# KiCad board 8.Layer.Receiver.Board.kicad_pcb
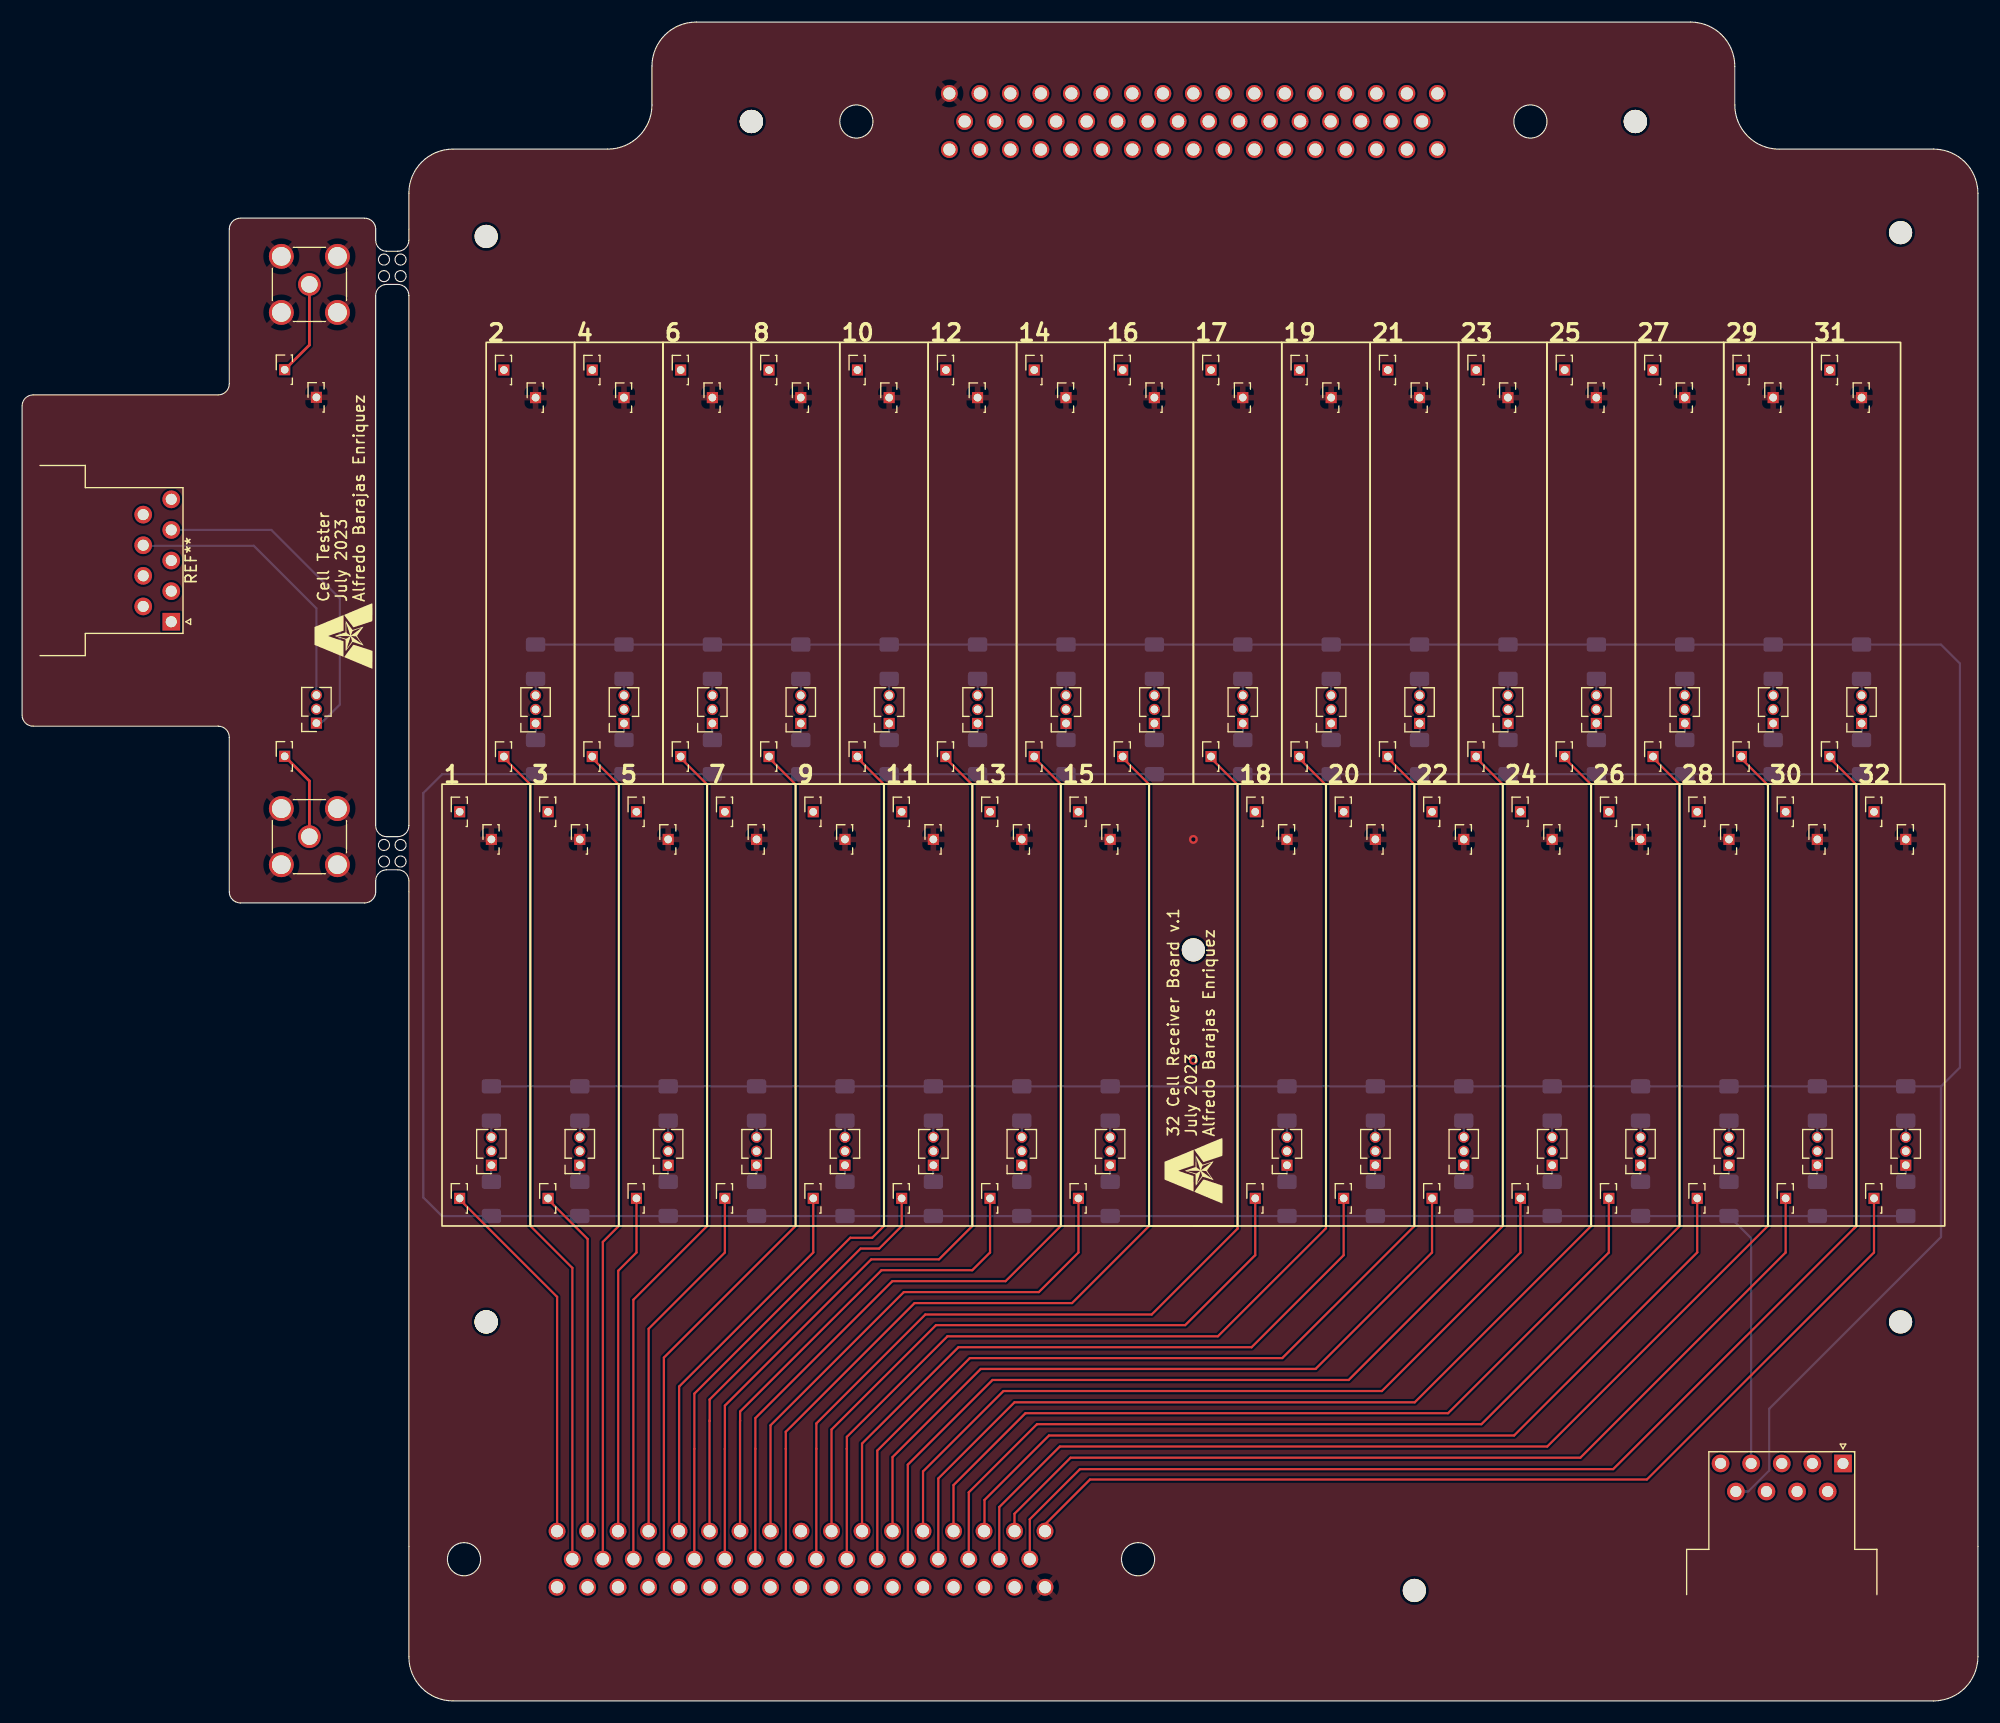
[diagram p0: board, top side]
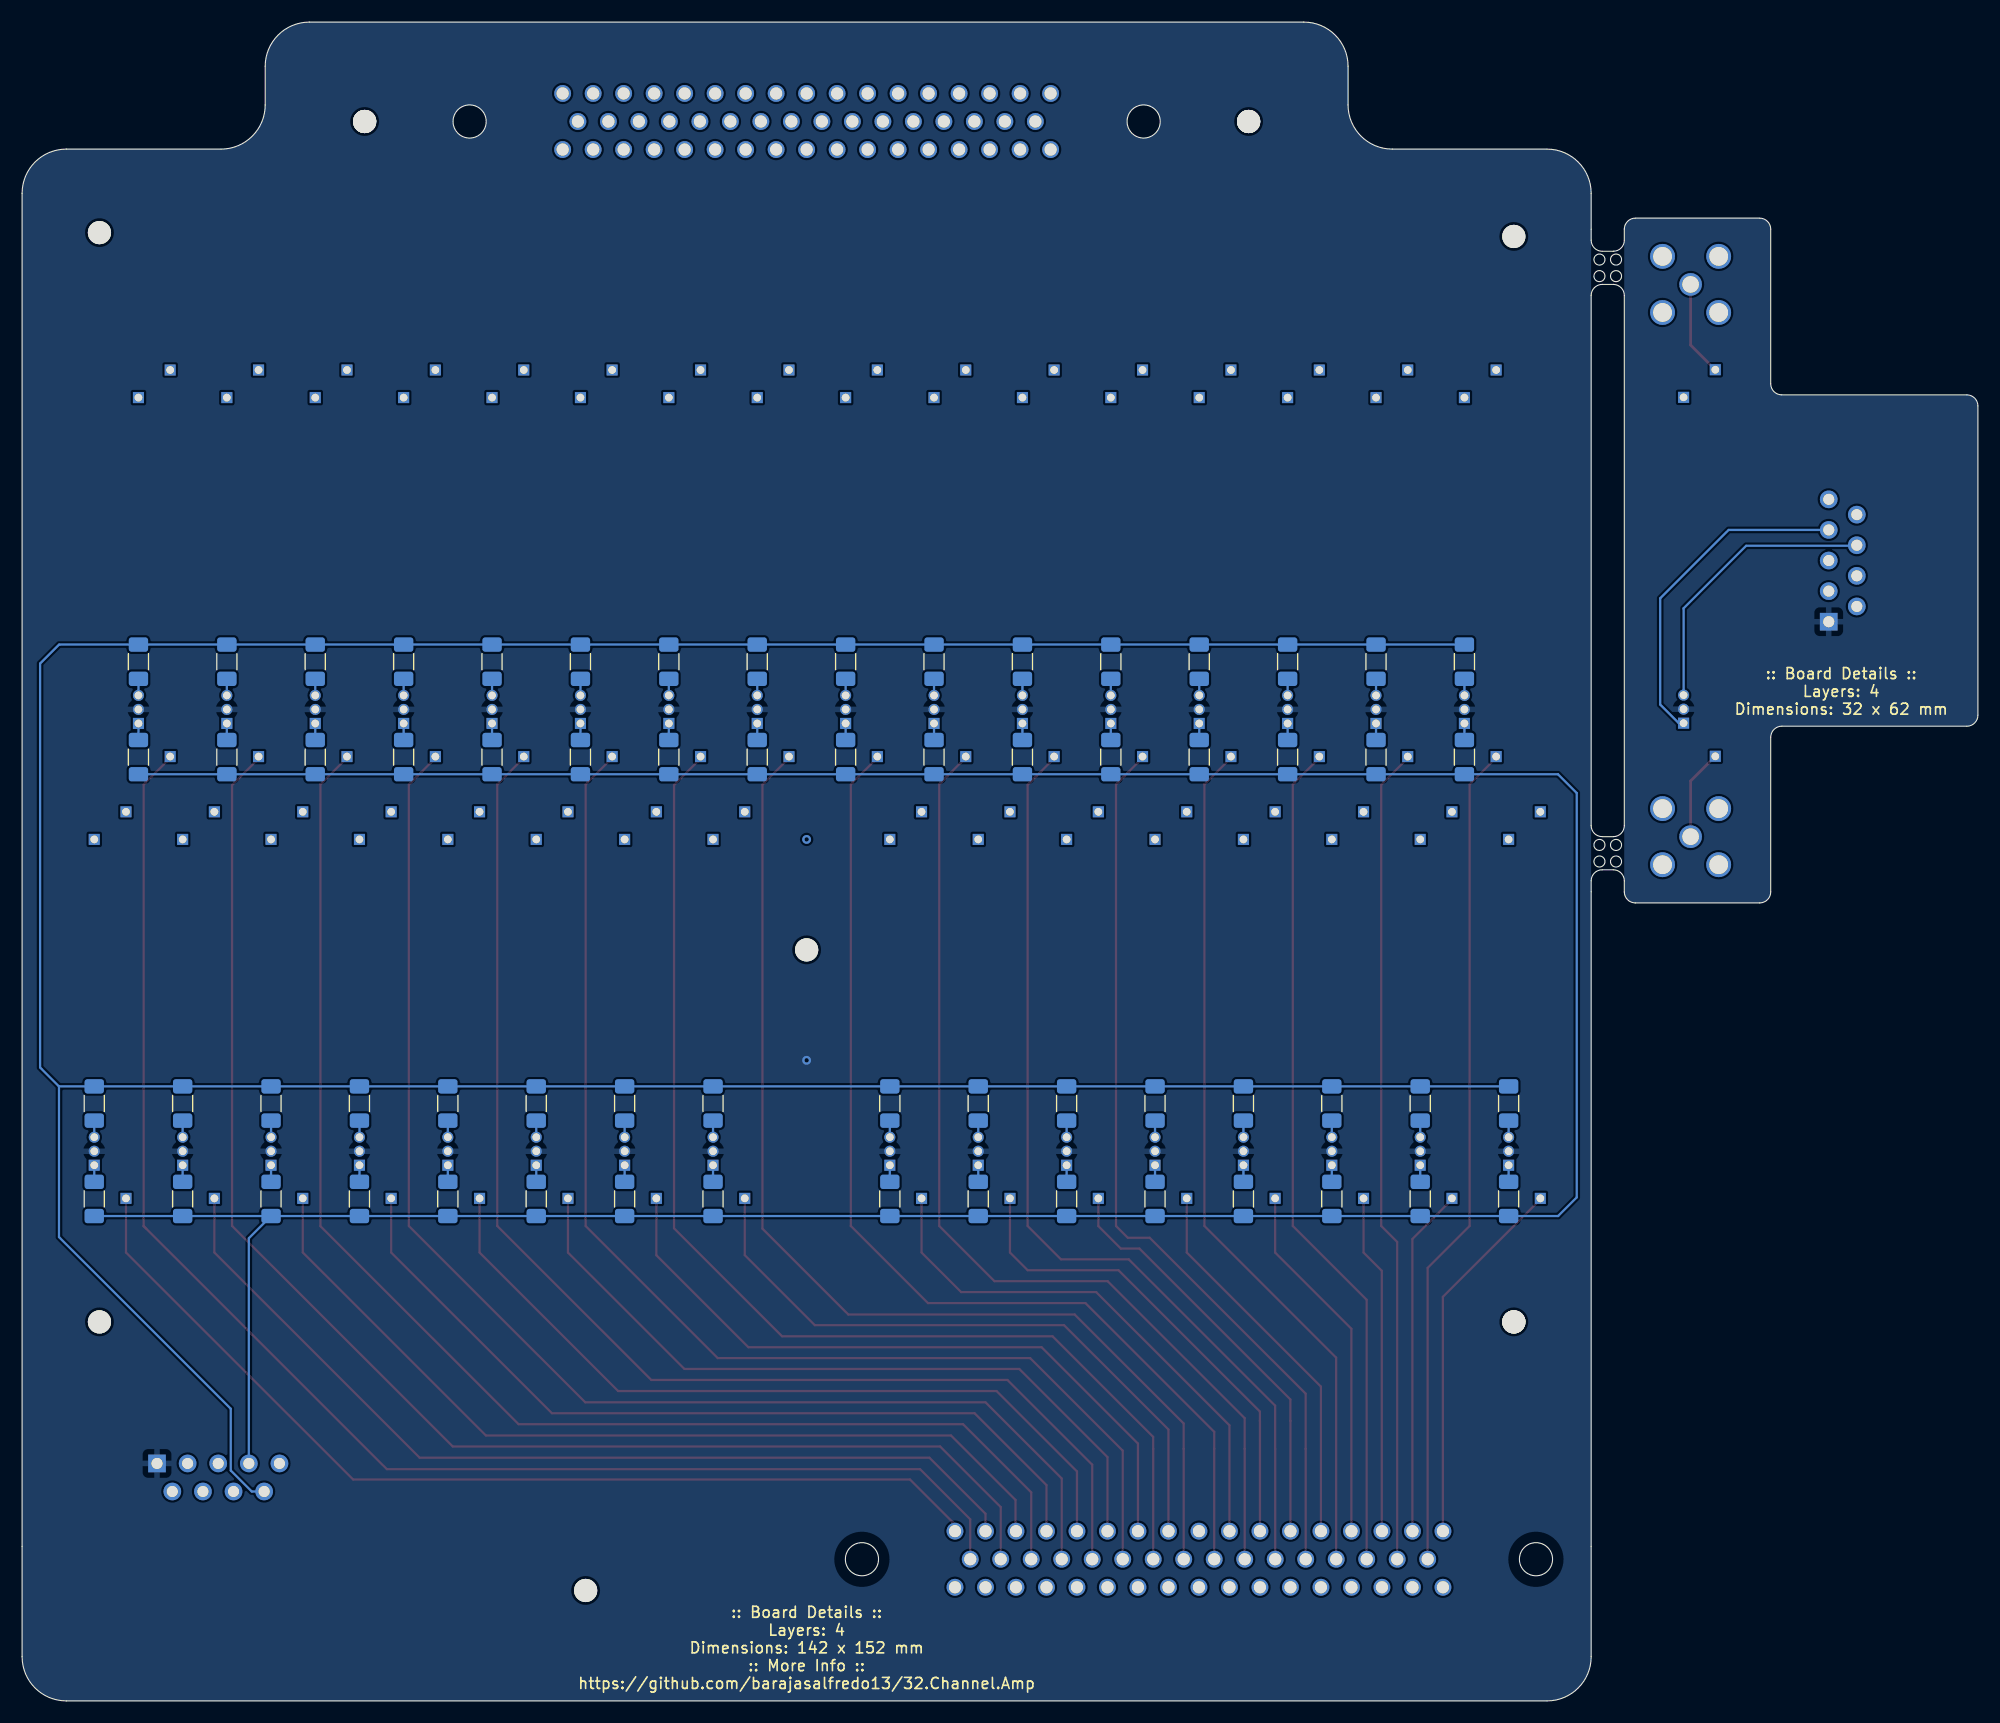
[diagram p1: board, bottom side, seen from below]

Outline 177 x 152 mm; copper layers: Top, In1.Cu, In2.Cu, In3.Cu, In4.Cu, In5.Cu, In6.Cu, Bottom. Coordinates in mm from the lower left corner of the outline.
Outline path: circle c32.75,130.5 r0.5 ; circle c32.75,129 r0.5 ; circle c32.75,77.5 r0.5 ; circle c32.75,76 r0.5 ; circle c34.25,130.5 r0.5 ; circle c34.25,129 r0.5 ; circle c34.25,77.5 r0.5 ; circle c34.25,76 r0.5 ; 0,117.25 0,89.25 arc(0.29,88.54) 1,88.25 17.75,88.25 arc(18.46,87.96) 18.75,87.25 18.75,73.25 arc(19.04,72.54) 19.75,72.25 31,72.25 arc(31.71,72.54) 32,73.25 32,74.25 arc(32.29,74.96) 33,75.25 34,75.25 arc(34.71,74.96) 35,74.25 35,4 arc(36.17,1.17) 39,0 173,0 arc(175.83,1.17) 177,4 177,136.5 arc(175.83,139.33) 173,140.5 159,140.5 arc(156.17,141.67) 155,144.5 155,148 arc(153.83,150.83) 151,152 61,152 arc(58.17,150.83) 57,148 57,144.5 arc(55.83,141.67) 53,140.5 39,140.5 arc(36.17,139.33) 35,136.5 35,132.25 arc(34.71,131.54) 34,131.25 33,131.25 arc(32.29,131.54) 32,132.25 32,133.25 arc(31.71,133.96) 31,134.25 19.75,134.25 arc(19.04,133.96) 18.75,133.25 18.75,119.25 arc(18.46,118.54) 17.75,118.25 1,118.25 arc(0.29,117.96) 0,117.25 ; 32,127.25 arc(32.29,127.96) 33,128.25 34,128.25 arc(34.71,127.96) 35,127.25 35,79.25 arc(34.71,78.54) 34,78.25 33,78.25 arc(32.29,78.54) 32,79.25 32,127.25
Stack: Top 0.035mm / dielectric 0.1mm FR4 er 4.5 / In1.Cu 0.035mm / dielectric 0.3mm FR4 er 4.5 / In2.Cu 0.035mm / dielectric 0.1mm FR4 er 4.5 / In3.Cu 0.035mm / dielectric 0.3mm FR4 er 4.5 / In4.Cu 0.035mm / dielectric 0.1mm FR4 er 4.5 / In5.Cu 0.035mm / dielectric 0.3mm FR4 er 4.5 / In6.Cu 0.035mm / dielectric 0.1mm FR4 er 4.5 / Bottom 0.035mm

## Placement (name value [footprint] x y rotation side)
G***  LOGO  [UTA]  106 48 90 top
G***#2  LOGO  [UTA]  29.07 96.41 90 top
J5  Conn_Coaxial_Out  [SMA_Amphenol_901-144_Vertical]  26 128.25 0 top
J5#2  Conn_Coaxial_Out  [SMA_Amphenol_901-144_Vertical]  26 78.25 0 top
NOREF  -  [unnamed]  42 34.32 180 top
NOREF#2  -  [unnamed]  146 143 0 top
NOREF#3  -  [unnamed]  66 143 0 top
REF**  -  [MountingHole_2.1mm]  146 143 0 top
REF**1  -  [PinSocket_1x01_P1.27mm_Vertical]  47.6 45.5 90 top
REF**2  -  [PinSocket_1x03_P1.27mm_Vertical]  50.47 48.5 180 top
REF**3  -  [PinSocket_1x01_P1.27mm_Vertical]  50.47 78 90 top
REF**4  -  [PinSocket_1x01_P1.27mm_Vertical]  47.6 80.5 90 top
REF**5  -  [PinSocket_1x01_P1.27mm_Vertical]  55.6 45.5 90 top
REF**6  -  [PinSocket_1x03_P1.27mm_Vertical]  58.47 48.5 180 top
REF**7  -  [PinSocket_1x01_P1.27mm_Vertical]  58.47 78 90 top
REF**8  -  [PinSocket_1x01_P1.27mm_Vertical]  55.6 80.5 90 top
REF**9  -  [PinSocket_1x01_P1.27mm_Vertical]  63.6 45.5 90 top
REF**10  -  [PinSocket_1x03_P1.27mm_Vertical]  66.47 48.5 180 top
REF**11  -  [PinSocket_1x01_P1.27mm_Vertical]  66.47 78 90 top
REF**12  -  [PinSocket_1x01_P1.27mm_Vertical]  63.6 80.5 90 top
REF**13  -  [PinSocket_1x01_P1.27mm_Vertical]  71.6 45.5 90 top
REF**14  -  [PinSocket_1x03_P1.27mm_Vertical]  74.47 48.5 180 top
REF**15  -  [PinSocket_1x01_P1.27mm_Vertical]  74.47 78 90 top
REF**16  -  [PinSocket_1x01_P1.27mm_Vertical]  71.6 80.5 90 top
REF**17  -  [PinSocket_1x01_P1.27mm_Vertical]  79.6 45.5 90 top
REF**18  -  [PinSocket_1x03_P1.27mm_Vertical]  82.47 48.5 180 top
REF**19  -  [PinSocket_1x01_P1.27mm_Vertical]  82.47 78 90 top
REF**20  -  [PinSocket_1x01_P1.27mm_Vertical]  79.6 80.5 90 top
REF**21  -  [PinSocket_1x01_P1.27mm_Vertical]  87.6 45.5 90 top
REF**22  -  [PinSocket_1x03_P1.27mm_Vertical]  90.47 48.5 180 top
REF**23  -  [PinSocket_1x01_P1.27mm_Vertical]  90.47 78 90 top
REF**24  -  [PinSocket_1x01_P1.27mm_Vertical]  87.6 80.5 90 top
REF**25  -  [PinSocket_1x01_P1.27mm_Vertical]  95.6 45.5 90 top
REF**26  -  [PinSocket_1x03_P1.27mm_Vertical]  98.47 48.5 180 top
REF**27  -  [PinSocket_1x01_P1.27mm_Vertical]  98.47 78 90 top
REF**28  -  [PinSocket_1x01_P1.27mm_Vertical]  95.6 80.5 90 top
REF**29  -  [R_1206_3216Metric_Pad1.30x1.75mm_HandSolder]  54.47 85.45 270 bottom
REF**30  -  [R_1206_3216Metric_Pad1.30x1.75mm_HandSolder]  54.47 94.09 90 bottom
REF**31  -  [R_1206_3216Metric_Pad1.30x1.75mm_HandSolder]  62.47 85.45 270 bottom
REF**32  -  [R_1206_3216Metric_Pad1.30x1.75mm_HandSolder]  62.47 94.09 90 bottom
REF**33  -  [PinSocket_1x01_P1.27mm_Vertical]  111.6 45.5 90 top
REF**34  -  [PinSocket_1x03_P1.27mm_Vertical]  114.47 48.5 180 top
REF**35  -  [PinSocket_1x01_P1.27mm_Vertical]  114.47 78 90 top
REF**36  -  [PinSocket_1x01_P1.27mm_Vertical]  111.6 80.5 90 top
REF**37  -  [PinSocket_1x01_P1.27mm_Vertical]  119.6 45.5 90 top
REF**38  -  [PinSocket_1x03_P1.27mm_Vertical]  122.47 48.5 180 top
REF**39  -  [PinSocket_1x01_P1.27mm_Vertical]  122.47 78 90 top
REF**40  -  [PinSocket_1x01_P1.27mm_Vertical]  119.6 80.5 90 top
REF**41  -  [PinSocket_1x01_P1.27mm_Vertical]  127.6 45.5 90 top
REF**42  -  [PinSocket_1x03_P1.27mm_Vertical]  130.47 48.5 180 top
REF**43  -  [PinSocket_1x01_P1.27mm_Vertical]  130.47 78 90 top
REF**44  -  [PinSocket_1x01_P1.27mm_Vertical]  127.6 80.5 90 top
REF**45  -  [PinSocket_1x01_P1.27mm_Vertical]  135.6 45.5 90 top
REF**46  -  [PinSocket_1x03_P1.27mm_Vertical]  138.47 48.5 180 top
REF**47  -  [PinSocket_1x01_P1.27mm_Vertical]  138.47 78 90 top
REF**48  -  [PinSocket_1x01_P1.27mm_Vertical]  135.6 80.5 90 top
REF**49  -  [PinSocket_1x01_P1.27mm_Vertical]  143.6 45.5 90 top
REF**50  -  [PinSocket_1x03_P1.27mm_Vertical]  146.47 48.5 180 top
REF**51  -  [PinSocket_1x01_P1.27mm_Vertical]  146.47 78 90 top
REF**52  -  [PinSocket_1x01_P1.27mm_Vertical]  143.6 80.5 90 top
REF**53  -  [PinSocket_1x01_P1.27mm_Vertical]  151.6 45.5 90 top
REF**54  -  [PinSocket_1x03_P1.27mm_Vertical]  154.47 48.5 180 top
REF**55  -  [PinSocket_1x01_P1.27mm_Vertical]  154.47 78 90 top
REF**56  -  [PinSocket_1x01_P1.27mm_Vertical]  151.6 80.5 90 top
REF**57  -  [PinSocket_1x01_P1.27mm_Vertical]  159.6 45.5 90 top
REF**58  -  [PinSocket_1x03_P1.27mm_Vertical]  162.47 48.5 180 top
REF**59  -  [PinSocket_1x01_P1.27mm_Vertical]  162.47 78 90 top
REF**60  -  [PinSocket_1x01_P1.27mm_Vertical]  159.6 80.5 90 top
REF**61  -  [PinSocket_1x01_P1.27mm_Vertical]  167.6 45.5 90 top
REF**62  -  [PinSocket_1x03_P1.27mm_Vertical]  170.47 48.5 180 top
REF**63  -  [PinSocket_1x01_P1.27mm_Vertical]  170.47 78 90 top
REF**64  -  [PinSocket_1x01_P1.27mm_Vertical]  167.6 80.5 90 top
REF**65  -  [PinSocket_1x01_P1.27mm_Vertical]  43.6 85.5 90 top
REF**66  -  [PinSocket_1x03_P1.27mm_Vertical]  46.47 88.5 180 top
REF**67  -  [PinSocket_1x01_P1.27mm_Vertical]  46.47 118 90 top
REF**68  -  [PinSocket_1x01_P1.27mm_Vertical]  43.6 120.5 90 top
REF**69  -  [PinSocket_1x01_P1.27mm_Vertical]  51.6 85.5 90 top
REF**70  -  [PinSocket_1x03_P1.27mm_Vertical]  54.47 88.5 180 top
REF**71  -  [PinSocket_1x01_P1.27mm_Vertical]  54.47 118 90 top
REF**72  -  [PinSocket_1x01_P1.27mm_Vertical]  51.6 120.5 90 top
REF**73  -  [PinSocket_1x01_P1.27mm_Vertical]  59.6 85.5 90 top
REF**74  -  [PinSocket_1x03_P1.27mm_Vertical]  62.47 88.5 180 top
REF**75  -  [PinSocket_1x01_P1.27mm_Vertical]  62.47 118 90 top
REF**76  -  [PinSocket_1x01_P1.27mm_Vertical]  59.6 120.5 90 top
REF**77  -  [PinSocket_1x01_P1.27mm_Vertical]  67.6 85.5 90 top
REF**78  -  [PinSocket_1x03_P1.27mm_Vertical]  70.47 88.5 180 top
REF**79  -  [PinSocket_1x01_P1.27mm_Vertical]  70.47 118 90 top
REF**80  -  [PinSocket_1x01_P1.27mm_Vertical]  67.6 120.5 90 top
REF**81  -  [PinSocket_1x01_P1.27mm_Vertical]  75.6 85.5 90 top
REF**82  -  [PinSocket_1x03_P1.27mm_Vertical]  78.47 88.5 180 top
REF**83  -  [PinSocket_1x01_P1.27mm_Vertical]  78.47 118 90 top
REF**84  -  [PinSocket_1x01_P1.27mm_Vertical]  75.6 120.5 90 top
REF**85  -  [PinSocket_1x01_P1.27mm_Vertical]  83.6 85.5 90 top
REF**86  -  [PinSocket_1x03_P1.27mm_Vertical]  86.47 88.5 180 top
REF**87  -  [PinSocket_1x01_P1.27mm_Vertical]  86.47 118 90 top
REF**88  -  [PinSocket_1x01_P1.27mm_Vertical]  83.6 120.5 90 top
REF**89  -  [PinSocket_1x01_P1.27mm_Vertical]  91.6 85.5 90 top
REF**90  -  [PinSocket_1x03_P1.27mm_Vertical]  94.47 88.5 180 top
REF**91  -  [PinSocket_1x01_P1.27mm_Vertical]  94.47 118 90 top
REF**92  -  [PinSocket_1x01_P1.27mm_Vertical]  91.6 120.5 90 top
REF**93  -  [PinSocket_1x01_P1.27mm_Vertical]  99.6 85.5 90 top
REF**94  -  [PinSocket_1x03_P1.27mm_Vertical]  102.47 88.5 180 top
REF**95  -  [PinSocket_1x01_P1.27mm_Vertical]  102.47 118 90 top
REF**96  -  [PinSocket_1x01_P1.27mm_Vertical]  99.6 120.5 90 top
REF**97  -  [PinSocket_1x01_P1.27mm_Vertical]  107.6 85.5 90 top
REF**98  -  [PinSocket_1x03_P1.27mm_Vertical]  110.47 88.5 180 top
REF**99  -  [PinSocket_1x01_P1.27mm_Vertical]  110.47 118 90 top
REF**100  -  [PinSocket_1x01_P1.27mm_Vertical]  107.6 120.5 90 top
REF**101  -  [PinSocket_1x01_P1.27mm_Vertical]  115.6 85.5 90 top
REF**102  -  [PinSocket_1x03_P1.27mm_Vertical]  118.47 88.5 180 top
REF**103  -  [PinSocket_1x01_P1.27mm_Vertical]  118.47 118 90 top
REF**104  -  [PinSocket_1x01_P1.27mm_Vertical]  115.6 120.5 90 top
REF**105  -  [PinSocket_1x01_P1.27mm_Vertical]  123.6 85.5 90 top
REF**106  -  [PinSocket_1x03_P1.27mm_Vertical]  126.47 88.5 180 top
REF**107  -  [PinSocket_1x01_P1.27mm_Vertical]  126.47 118 90 top
REF**108  -  [PinSocket_1x01_P1.27mm_Vertical]  123.6 120.5 90 top
REF**109  -  [PinSocket_1x01_P1.27mm_Vertical]  131.6 85.5 90 top
REF**110  -  [PinSocket_1x03_P1.27mm_Vertical]  134.47 88.5 180 top
REF**111  -  [PinSocket_1x01_P1.27mm_Vertical]  134.47 118 90 top
REF**112  -  [PinSocket_1x01_P1.27mm_Vertical]  131.6 120.5 90 top
REF**113  -  [PinSocket_1x01_P1.27mm_Vertical]  139.6 85.5 90 top
REF**114  -  [PinSocket_1x03_P1.27mm_Vertical]  142.47 88.5 180 top
REF**115  -  [PinSocket_1x01_P1.27mm_Vertical]  142.47 118 90 top
REF**116  -  [PinSocket_1x01_P1.27mm_Vertical]  139.6 120.5 90 top
REF**117  -  [PinSocket_1x01_P1.27mm_Vertical]  147.6 85.5 90 top
REF**118  -  [PinSocket_1x03_P1.27mm_Vertical]  150.47 88.5 180 top
REF**119  -  [PinSocket_1x01_P1.27mm_Vertical]  150.47 118 90 top
REF**120  -  [PinSocket_1x01_P1.27mm_Vertical]  147.6 120.5 90 top
REF**121  -  [PinSocket_1x01_P1.27mm_Vertical]  155.6 85.5 90 top
REF**122  -  [PinSocket_1x03_P1.27mm_Vertical]  158.47 88.5 180 top
REF**123  -  [PinSocket_1x01_P1.27mm_Vertical]  158.47 118 90 top
REF**124  -  [PinSocket_1x01_P1.27mm_Vertical]  155.6 120.5 90 top
REF**125  -  [PinSocket_1x01_P1.27mm_Vertical]  163.6 85.5 90 top
REF**126  -  [PinSocket_1x03_P1.27mm_Vertical]  166.47 88.5 180 top
REF**127  -  [PinSocket_1x01_P1.27mm_Vertical]  166.47 118 90 top
REF**128  -  [PinSocket_1x01_P1.27mm_Vertical]  163.6 120.5 90 top
REF**129  -  [R_1206_3216Metric_Pad1.30x1.75mm_HandSolder]  70.47 85.45 270 bottom
REF**130  -  [R_1206_3216Metric_Pad1.30x1.75mm_HandSolder]  70.47 94.09 90 bottom
REF**131  -  [R_1206_3216Metric_Pad1.30x1.75mm_HandSolder]  78.47 85.45 270 bottom
REF**132  -  [R_1206_3216Metric_Pad1.30x1.75mm_HandSolder]  78.47 94.09 90 bottom
REF**133  -  [R_1206_3216Metric_Pad1.30x1.75mm_HandSolder]  86.47 85.45 270 bottom
REF**134  -  [R_1206_3216Metric_Pad1.30x1.75mm_HandSolder]  86.47 94.09 90 bottom
REF**135  -  [R_1206_3216Metric_Pad1.30x1.75mm_HandSolder]  94.47 85.45 270 bottom
REF**136  -  [R_1206_3216Metric_Pad1.30x1.75mm_HandSolder]  94.47 94.09 90 bottom
REF**137  -  [R_1206_3216Metric_Pad1.30x1.75mm_HandSolder]  102.47 85.45 270 bottom
REF**138  -  [R_1206_3216Metric_Pad1.30x1.75mm_HandSolder]  102.47 94.09 90 bottom
REF**139  -  [R_1206_3216Metric_Pad1.30x1.75mm_HandSolder]  110.47 85.45 270 bottom
REF**140  -  [R_1206_3216Metric_Pad1.30x1.75mm_HandSolder]  110.47 94.09 90 bottom
REF**141  -  [R_1206_3216Metric_Pad1.30x1.75mm_HandSolder]  118.47 85.45 270 bottom
REF**142  -  [R_1206_3216Metric_Pad1.30x1.75mm_HandSolder]  118.47 94.09 90 bottom
REF**143  -  [R_1206_3216Metric_Pad1.30x1.75mm_HandSolder]  126.47 85.45 270 bottom
REF**144  -  [R_1206_3216Metric_Pad1.30x1.75mm_HandSolder]  126.47 94.09 90 bottom
REF**145  -  [R_1206_3216Metric_Pad1.30x1.75mm_HandSolder]  134.47 85.45 270 bottom
REF**146  -  [R_1206_3216Metric_Pad1.30x1.75mm_HandSolder]  134.47 94.09 90 bottom
REF**147  -  [R_1206_3216Metric_Pad1.30x1.75mm_HandSolder]  142.47 85.45 270 bottom
REF**148  -  [R_1206_3216Metric_Pad1.30x1.75mm_HandSolder]  142.47 94.09 90 bottom
REF**149  -  [R_1206_3216Metric_Pad1.30x1.75mm_HandSolder]  150.47 85.45 270 bottom
REF**150  -  [R_1206_3216Metric_Pad1.30x1.75mm_HandSolder]  150.47 94.09 90 bottom
REF**151  -  [R_1206_3216Metric_Pad1.30x1.75mm_HandSolder]  158.47 85.45 270 bottom
REF**152  -  [R_1206_3216Metric_Pad1.30x1.75mm_HandSolder]  158.47 94.09 90 bottom
REF**153  -  [R_1206_3216Metric_Pad1.30x1.75mm_HandSolder]  166.47 85.45 270 bottom
REF**154  -  [R_1206_3216Metric_Pad1.30x1.75mm_HandSolder]  166.47 94.09 90 bottom
REF**155  -  [R_1206_3216Metric_Pad1.30x1.75mm_HandSolder]  50.47 45.45 270 bottom
REF**156  -  [R_1206_3216Metric_Pad1.30x1.75mm_HandSolder]  50.47 54.09 90 bottom
REF**157  -  [R_1206_3216Metric_Pad1.30x1.75mm_HandSolder]  58.47 45.45 270 bottom
REF**158  -  [R_1206_3216Metric_Pad1.30x1.75mm_HandSolder]  58.47 54.09 90 bottom
REF**159  -  [R_1206_3216Metric_Pad1.30x1.75mm_HandSolder]  66.47 45.45 270 bottom
REF**160  -  [R_1206_3216Metric_Pad1.30x1.75mm_HandSolder]  66.47 54.09 90 bottom
REF**161  -  [R_1206_3216Metric_Pad1.30x1.75mm_HandSolder]  74.47 45.45 270 bottom
REF**162  -  [R_1206_3216Metric_Pad1.30x1.75mm_HandSolder]  74.47 54.09 90 bottom
REF**163  -  [R_1206_3216Metric_Pad1.30x1.75mm_HandSolder]  82.47 45.45 270 bottom
REF**164  -  [R_1206_3216Metric_Pad1.30x1.75mm_HandSolder]  82.47 54.09 90 bottom
REF**165  -  [R_1206_3216Metric_Pad1.30x1.75mm_HandSolder]  90.47 45.45 270 bottom
REF**166  -  [R_1206_3216Metric_Pad1.30x1.75mm_HandSolder]  90.47 54.09 90 bottom
REF**167  -  [R_1206_3216Metric_Pad1.30x1.75mm_HandSolder]  98.47 45.45 270 bottom
REF**168  -  [R_1206_3216Metric_Pad1.30x1.75mm_HandSolder]  98.47 54.09 90 bottom
REF**171  -  [R_1206_3216Metric_Pad1.30x1.75mm_HandSolder]  114.47 45.45 270 bottom
REF**172  -  [R_1206_3216Metric_Pad1.30x1.75mm_HandSolder]  114.47 54.09 90 bottom
REF**173  -  [R_1206_3216Metric_Pad1.30x1.75mm_HandSolder]  122.47 45.45 270 bottom
REF**174  -  [R_1206_3216Metric_Pad1.30x1.75mm_HandSolder]  122.47 54.09 90 bottom
REF**175  -  [R_1206_3216Metric_Pad1.30x1.75mm_HandSolder]  130.47 45.45 270 bottom
REF**176  -  [R_1206_3216Metric_Pad1.30x1.75mm_HandSolder]  130.47 54.09 90 bottom
REF**177  -  [R_1206_3216Metric_Pad1.30x1.75mm_HandSolder]  138.47 45.45 270 bottom
REF**178  -  [R_1206_3216Metric_Pad1.30x1.75mm_HandSolder]  138.47 54.09 90 bottom
REF**179  -  [R_1206_3216Metric_Pad1.30x1.75mm_HandSolder]  146.47 45.45 270 bottom
REF**180  -  [R_1206_3216Metric_Pad1.30x1.75mm_HandSolder]  146.47 54.09 90 bottom
REF**181  -  [R_1206_3216Metric_Pad1.30x1.75mm_HandSolder]  154.47 45.45 270 bottom
REF**182  -  [R_1206_3216Metric_Pad1.30x1.75mm_HandSolder]  154.47 54.09 90 bottom
REF**183  -  [R_1206_3216Metric_Pad1.30x1.75mm_HandSolder]  162.47 45.45 270 bottom
REF**184  -  [R_1206_3216Metric_Pad1.30x1.75mm_HandSolder]  162.47 54.09 90 bottom
REF**185  -  [R_1206_3216Metric_Pad1.30x1.75mm_HandSolder]  170.47 45.45 270 bottom
REF**186  -  [R_1206_3216Metric_Pad1.30x1.75mm_HandSolder]  170.47 54.09 90 bottom
REF**187  -  [R_1206_3216Metric_Pad1.30x1.75mm_HandSolder]  42.47 45.45 270 bottom
REF**188  -  [R_1206_3216Metric_Pad1.30x1.75mm_HandSolder]  42.47 54.09 90 bottom
REF**#2  -  [DSUB-9_Female_Horizontal_P2.77x2.54mm_EdgePinOffset9.40mm]  164.79 21.5 0 top
REF**#3  -  [MountingHole_2.1mm]  42 34.32 180 top
REF**#4  -  [MountingHole_2.1mm]  170 34.32 180 top
REF**#5  -  [PinSocket_1x01_P1.27mm_Vertical]  39.6 45.5 90 top
REF**#6  -  [PinSocket_1x01_P1.27mm_Vertical]  42.47 78 90 top
REF**#7  -  [MountingHole_2.1mm]  66 143 0 top
REF**#8  -  [PinSocket_1x01_P1.27mm_Vertical]  39.6 80.5 90 top
REF**#9  -  [PinSocket_1x01_P1.27mm_Vertical]  23.77 85.52 90 top
REF**#10  -  [MountingHole_2.1mm]  126 10 270 top
REF**#11  -  [PinSocket_1x03_P1.27mm_Vertical]  42.47 48.5 180 top
REF**#12  -  [MountingHole_2.1mm]  106 68 0 top
REF**#13  -  [PinSocket_1x03_P1.27mm_Vertical]  26.64 88.52 180 top
REF**#14  -  [CONN D-SUB PLUG 50POS RA SLDR]  69.11 12.83 180 top
REF**#15  -  [CONN D-SUB PLUG 50POS RA SLDR]  107.38 143 0 top
REF**#16  -  [PinSocket_1x01_P1.27mm_Vertical]  26.64 118.02 90 top
REF**#17  -  [PinSocket_1x01_P1.27mm_Vertical]  23.77 120.52 90 top
REF**#18  -  [MountingHole_2.1mm]  170 132.94 0 top
REF**#19  -  [DSUB-9_Female_Horizontal_P2.77x2.54mm_EdgePinOffset9.40mm]  13.5 97.71 270 top
REF**#20  -  [MountingHole_2.1mm]  42 132.59 0 top
REF**#21  -  [R_1206_3216Metric_Pad1.30x1.75mm_HandSolder]  46.47 94.09 90 bottom
REF**#22  -  [R_1206_3216Metric_Pad1.30x1.75mm_HandSolder]  46.47 85.45 270 bottom

## Library data of the parts
J5 J5#2 = -: Description: coaxial connector (BNC, SMA, SMB, SMC, Cinch/RCA, LEMO, ...)

## Footprints (pads in the part's own frame, mm; a bottom-side part is the same pattern mirrored in y, then rotated)
CONN D-SUB PLUG 50POS RA SLDR
  round 1.524 hole 1.1: 1(-23.46,2.54) 2(-20.7,2.54) 3(-17.94,2.54) 4(-15.18,2.54) 5(-12.42,2.54) 6(-9.66,2.54) 7(-6.9,2.54) 8(-4.14,2.54) 9(-1.38,2.54) 10(1.38,2.54) 11(4.14,2.54) 12(6.9,2.54) 13(9.66,2.54) 14(12.42,2.54) 15(15.18,2.54) 16(17.94,2.54) 17(20.7,2.54) 18(-22.08,0) 19(-19.32,0) 20(-16.56,0) 21(-13.8,0) 22(-11.04,0) 23(-8.28,0) 24(-5.52,0) 25(-2.76,0) 26(0,0) 27(2.76,0) 28(5.52,0) 29(8.28,0) 30(11.04,0) 31(13.8,0) 32(16.56,0) 33(19.32,0) 34(-23.46,-2.54) 35(-20.7,-2.54) 36(-17.94,-2.54) 37(-15.18,-2.54) 38(-12.42,-2.54) 39(-9.66,-2.54) 40(-6.9,-2.54) 41(-4.14,-2.54) 42(-1.38,-2.54) 43(1.38,-2.54) 44(4.14,-2.54) 45(6.9,-2.54) 46(9.66,-2.54) 47(12.42,-2.54) 48(15.18,-2.54) 49(17.94,-2.54) 50(20.7,-2.54)
DSUB-9_Female_Horizontal_P2.77x2.54mm_EdgePinOffset9.40mm
  rect 1.6x1.6 hole 1: 1(0,0)
  round 1.6 hole 1: 2(-2.77,0) 3(-5.54,0) 4(-8.31,0) 5(-11.08,0) 6(-1.385,-2.54) 7(-4.155,-2.54) 8(-6.925,-2.54) 9(-9.695,-2.54)
MountingHole_2.1mm
  round 2.1 hole 2.1 unplated: (0,0)
PinSocket_1x01_P1.27mm_Vertical
  rect 1x1 hole 0.7: 1(0,0)
PinSocket_1x03_P1.27mm_Vertical
  rect 1x1 hole 0.7: 1(0,0)
  oval 1x1 hole 0.7: 2(0,-1.27) 3(0,-2.54)
R_1206_3216Metric_Pad1.30x1.75mm_HandSolder
  rrect 1.3x1.75 smd: 1(-1.55,0) 2(1.55,0)
SMA_Amphenol_901-144_Vertical
  round 2.05 hole 1.5: 1(0,0)
  round 2.25 hole 1.7: 2(-2.54,2.54) 2(-2.54,-2.54) 2(2.54,2.54) 2(2.54,-2.54)
unnamed
  round 2.1 hole 2.1 unplated: (0,0)

## Nets
GND: REF**2.2 REF**6.2 REF**10.2 REF**14.2 REF**18.2 REF**22.2 REF**26.2 REF**34.2 REF**38.2 REF**42.2 REF**46.2 REF**50.2 REF**54.2 REF**58.2 REF**62.2 REF**66.2 REF**70.2 REF**74.2 REF**78.2 REF**82.2 REF**86.2 REF**90.2 REF**94.2 REF**98.2 REF**102.2 REF**106.2 REF**110.2 REF**114.2 REF**118.2 REF**122.2 REF**126.2 REF**#2.1 REF**#11.2 REF**#13.2 REF**#19.1
GND1: J5.2 J5#2.2 REF**3.1 REF**7.1 REF**11.1 REF**15.1 REF**19.1 REF**23.1 REF**27.1 REF**35.1 REF**39.1 REF**43.1 REF**47.1 REF**51.1 REF**55.1 REF**59.1 REF**63.1 REF**67.1 REF**71.1 REF**75.1 REF**79.1 REF**83.1 REF**87.1 REF**91.1 REF**95.1 REF**99.1 REF**103.1 REF**107.1 REF**111.1 REF**115.1 REF**119.1 REF**123.1 REF**127.1 REF**#6.1 REF**#14.1 REF**#15.1 REF**#16.1
+12: REF**2.1 REF**6.1 REF**10.1 REF**14.1 REF**18.1 REF**22.1 REF**26.1 REF**29.2 REF**31.2 REF**34.1 REF**38.1 REF**42.1 REF**46.1 REF**50.1 REF**54.1 REF**58.1 REF**62.1 REF**66.1 REF**70.1 REF**74.1 REF**78.1 REF**82.1 REF**86.1 REF**90.1 REF**94.1 REF**98.1 REF**102.1 REF**106.1 REF**110.1 REF**114.1 REF**118.1 REF**122.1 REF**126.1 REF**129.2 REF**131.2 REF**133.2 REF**135.2 REF**137.2 REF**139.2 REF**141.2 REF**143.2 REF**145.2 REF**147.2 REF**149.2 REF**151.2 REF**153.2 REF**155.2 REF**157.2 REF**159.2 REF**161.2 REF**163.2 REF**165.2 REF**167.2 REF**171.2 REF**173.2 REF**175.2 REF**177.2 REF**179.2 REF**181.2 REF**183.2 REF**185.2 REF**187.2 REF**#2.4 REF**#11.1 REF**#13.1 REF**#19.4 REF**#22.2
-12: REF**2.3 REF**6.3 REF**10.3 REF**14.3 REF**18.3 REF**22.3 REF**26.3 REF**30.2 REF**32.2 REF**34.3 REF**38.3 REF**42.3 REF**46.3 REF**50.3 REF**54.3 REF**58.3 REF**62.3 REF**66.3 REF**70.3 REF**74.3 REF**78.3 REF**82.3 REF**86.3 REF**90.3 REF**94.3 REF**98.3 REF**102.3 REF**106.3 REF**110.3 REF**114.3 REF**118.3 REF**122.3 REF**126.3 REF**130.2 REF**132.2 REF**134.2 REF**136.2 REF**138.2 REF**140.2 REF**142.2 REF**144.2 REF**146.2 REF**148.2 REF**150.2 REF**152.2 REF**154.2 REF**156.2 REF**158.2 REF**160.2 REF**162.2 REF**164.2 REF**166.2 REF**168.2 REF**172.2 REF**174.2 REF**176.2 REF**178.2 REF**180.2 REF**182.2 REF**184.2 REF**186.2 REF**188.2 REF**#2.9 REF**#11.3 REF**#13.3 REF**#19.8 REF**#21.2

Pads without a net: J5 1; J5#2 1; REF**1 1; REF**4 1; REF**5 1; REF**8 1; REF**9 1; REF**12 1; REF**13 1; REF**16 1; REF**17 1; REF**20 1; REF**21 1; REF**24 1; REF**25 1; REF**28 1; REF**29 1; REF**30 1; REF**31 1; REF**32 1; REF**33 1; REF**36 1; REF**37 1; REF**40 1; REF**41 1; REF**44 1; REF**45 1; REF**48 1; REF**49 1; REF**52 1; REF**53 1; REF**56 1; REF**57 1; REF**60 1; REF**61 1; REF**64 1; REF**65 1; REF**68 1; REF**69 1; REF**72 1; REF**73 1; REF**76 1; REF**77 1; REF**80 1; REF**81 1; REF**84 1; REF**85 1; REF**88 1; REF**89 1; REF**92 1; REF**93 1; REF**96 1; REF**97 1; REF**100 1; REF**101 1; REF**104 1; REF**105 1; REF**108 1; REF**109 1; REF**112 1; REF**113 1; REF**116 1; REF**117 1; REF**120 1; REF**121 1; REF**124 1; REF**125 1; REF**128 1; REF**129 1; REF**130 1; REF**131 1; REF**132 1; REF**133 1; REF**134 1; REF**135 1; REF**136 1; REF**137 1; REF**138 1; REF**139 1; REF**140 1; REF**141 1; REF**142 1; REF**143 1; REF**144 1; REF**145 1; REF**146 1; REF**147 1; REF**148 1; REF**149 1; REF**150 1; REF**151 1; REF**152 1; REF**153 1; REF**154 1; REF**155 1; REF**156 1; REF**157 1; REF**158 1; REF**159 1; REF**160 1; REF**161 1; REF**162 1; REF**163 1; REF**164 1; REF**165 1; REF**166 1; REF**167 1; REF**168 1; REF**171 1; REF**172 1; REF**173 1; REF**174 1; REF**175 1; REF**176 1; REF**177 1; REF**178 1; REF**179 1; REF**180 1; REF**181 1; REF**182 1; REF**183 1; REF**184 1; REF**185 1; REF**186 1; REF**187 1; REF**188 1; REF**#2 2 3 5 6 7 8; REF**#5 1; REF**#8 1; REF**#9 1; REF**#14 2 3 4 5 6 7 8 9 10 11 12 13 14 15 16 17 18 19 20 21 22 23 24 25 26 27 28 29 30 31 32 33 34 35 36 37 38 39 40 41 42 43 44 45 46 47 48 49 50; REF**#15 2 3 4 5 6 7 8 9 10 11 12 13 14 15 16 17 18 19 20 21 22 23 24 25 26 27 28 29 30 31 32 33 34 35 36 37 38 39 40 41 42 43 44 45 46 47 48 49 50; REF**#17 1; REF**#19 2 3 5 6 7 9; REF**#21 1; REF**#22 1

## Via types
v1: diameter 0.8, hole 0.4, Top to Bottom, 2 vias

## Routing (per net, layer and track width the routed paths; a pad name or vN(x,y) marks a point on that pad's centre or on a via; arc(x,y) is an arc through that point)
GND:
  vias: v1(106,58)
GND1:
  vias: v1(106,78)
(no net): length 2509
  Top w0.2: REF**#14.41 73.25,24.57 82.71,34.02 105.26,34.02 111.6,40.36 REF**33.1 ; REF**41.1 127.6,40.6 117.06,30.06 86.75,30.06 78.77,22.08 REF**#14.39 ; REF**65.1 43.6,85.38 46,82.98 46,43 49.8,39.2 49.8,12.84 REF**#14.33 ; REF**85.1 83.6,85.34 86,82.94 86,43 82.98,39.98 76.85,39.98 63.6,26.73 63.6,22.82 63.59,22.81 REF**#14.28 ; REF**#14.18 91.19,16.44 95.74,20.98 143.99,20.98 166,42.99 166,42.99 ; REF**17.1 79.6,42.99 77.56,40.95 75.88,40.95 62.22,27.29 62.22,25.36 62.21,25.35 REF**#14.45 ; REF**#14.32 52.56,12.83 52.56,41.56 54,43 54,82.95 51.6,85.35 REF**69.1 ; REF**#14.31 55.32,12.84 55.32,36.32 62,43 62,82.97 59.6,85.37 REF**73.1 ; REF**49.1 143.6,40.6 129.05,26.05 90.8,26.05 84.29,19.54 REF**#14.37 ; REF**109.1 131.6,85.38 134,82.98 134,43 ; REF**101.1 115.6,85.32 118,82.92 118,42.79 108.22,33.01 83.75,33.01 74.64,23.91 74.64,22.82 74.63,22.81 REF**#14.24 ; REF**1.1 47.6,45.4 51.18,41.82 51.18,15.38 REF**#14.49 ; 166,42.99 165.75,42.75 ; 166,42.99 166,82.96 163.6,85.36 REF**125.1 ; REF**37.1 119.6,40.35 111.27,32.02 84.73,32.02 76.01,23.3 REF**#14.40 ; REF**#14.34 92.57,15.98 96.64,20.05 147.04,20.05 167.6,40.6 167.6,45.5 REF**61.1 ; REF**9.1 63.6,40.59 56.7,33.69 56.7,15.38 REF**#14.47 ; REF**21.1 87.6,40.6 85.99,38.99 77.78,38.99 64.98,26.2 64.98,25.36 64.97,25.35 REF**#14.44 ; REF**#14.23 77.39,22.66 85.77,31.04 114.04,31.04 126,43 126,82.97 123.6,85.37 REF**105.1 ; REF**25.1 95.6,40.6 92.01,37.01 79.79,37.01 67.73,24.95 REF**#14.43 ; REF**57.1 159.6,40.6 141.02,22.02 94.88,22.02 89.81,16.95 REF**#14.35 ; REF**#14.48 53.95,15.38 53.95,38.94 55.6,40.6 REF**5.1 ; REF**93.1 99.6,85.38 102,82.98 102,43 102,43 95.02,36.02 80.77,36.02 69.11,24.36 69.11,22.83 69.11,22.83 REF**#14.26 ; REF**#14.21 82.91,20.14 89.81,27.03 126.04,27.03 142,43 142,82.96 139.6,85.36 REF**113.1 ; REF**#14.29 60.83,22.81 60.84,22.82 60.84,27.82 74.96,41.93 76.93,41.93 78,43 78,82.98 75.6,85.38 REF**81.1 ; REF**#14.50 48.42,15.38 48.42,36.58 39.6,45.4 REF**#5.1 ; REF**#14.19 88.43,17.55 93.92,23.04 138.03,23.04 157.99,43 158,43 158,82.91 155.6,85.31 REF**121.1 ; REF**#14.25 71.87,22.81 71.88,22.82 71.88,25.12 81.74,34.99 102.23,34.99 110,42.76 110,82.95 107.6,85.35 REF**97.1 ; 134,43 134,43 ; 134,43 120.05,29.06 87.82,29.06 80.15,21.39 REF**#14.22 ; REF**#14.38 81.53,20.78 88.81,28.05 123.06,28.05 135.6,40.6 REF**45.1 ; REF**77.1 67.6,85.38 70,82.97 70,43 58.08,31.08 58.08,12.84 REF**#14.30 ; REF**#14.36 87.1,15.41 87.1,18.19 92.93,24.03 135.02,24.03 151.6,40.61 REF**53.1 ; REF**89.1 91.6,85.4 94,83 94,43 89,38 78.76,38 66.36,25.6 66.36,22.82 66.35,22.81 REF**#14.27 ; REF**117.1 147.6,85.38 150,82.98 150,42.98 132.07,25.05 91.84,25.05 85.67,18.88 REF**#14.20 ; REF**13.1 71.6,40.6 59.46,28.46 59.46,15.38 REF**#14.46
  Top w0.25: J5.1 26,122.76 REF**#17.1 ; REF**#9.1 26,83.29 J5#2.1
+12: length 403.8
  Bottom w0.2: REF**#11.1 42.47,47 ; REF**66.1 46.47,87 ; REF**2.1 50.47,47 ; REF**70.1 54.47,87 ; REF**6.1 58.47,47 ; REF**74.1 62.47,87 ; REF**10.1 66.47,47 ; REF**78.1 70.47,87 ; REF**14.1 74.47,47 ; REF**82.1 78.47,87 ; REF**18.1 82.47,47 ; REF**86.1 86.47,87 ; REF**22.1 90.47,47 ; REF**90.1 94.47,87 ; REF**26.1 98.47,47 ; REF**94.1 102.47,87 ; REF**98.1 110.47,87 ; REF**34.1 114.47,47 ; REF**102.1 118.47,87 ; REF**38.1 122.47,47 ; REF**106.1 126.47,87 ; REF**42.1 130.47,47 ; REF**110.1 134.47,87 ; REF**46.1 138.47,47 ; REF**114.1 142.47,87 ; REF**50.1 146.47,47 ; REF**118.1 150.47,87 ; REF**54.1 154.47,47 ; REF**122.1 158.47,87 ; REF**58.1 162.47,47 ; REF**126.1 166.47,87 ; REF**62.1 170.47,47 ; REF**181.2 156.48,41.89 REF**#2.4 ; REF**#19.4 22.56,106.02 28.75,99.83 28.75,90.21 27.07,88.52 REF**#13.1 ; REF**185.2 REF**187.2 37.99,43.9 36.3,45.59 36.3,82.2 38,83.9 REF**#22.2 REF**153.2
-12: length 418.7
  Bottom w0.2: REF**#11.3 42.47,52.54 ; REF**66.3 46.47,92.54 ; REF**2.3 50.47,52.54 ; REF**70.3 54.47,92.54 ; REF**6.3 58.47,52.54 ; REF**74.3 62.47,92.54 ; REF**10.3 66.47,52.54 ; REF**78.3 70.47,92.54 ; REF**14.3 74.47,52.54 ; REF**82.3 78.47,92.54 ; REF**18.3 82.47,52.54 ; REF**86.3 86.47,92.54 ; REF**22.3 90.47,52.54 ; REF**90.3 94.47,92.54 ; REF**26.3 98.47,52.54 ; REF**94.3 102.47,92.54 ; REF**98.3 110.47,92.54 ; REF**34.3 114.47,52.54 ; REF**102.3 118.47,92.54 ; REF**38.3 122.47,52.54 ; REF**106.3 126.47,92.54 ; REF**42.3 130.47,52.54 ; REF**110.3 134.47,92.54 ; REF**46.3 138.47,52.54 ; REF**114.3 142.47,92.54 ; REF**50.3 146.47,52.54 ; REF**118.3 150.47,92.54 ; REF**54.3 154.47,52.54 ; REF**122.3 158.47,92.54 ; REF**58.3 162.47,52.54 ; REF**126.3 166.47,92.54 ; REF**62.3 170.47,52.54 ; REF**#2.9 156.22,18.96 158.12,20.86 158.12,26.45 173.66,42 173.66,55.64 173.66,55.64 ; REF**#13.3 26.64,98.92 20.98,104.58 11.01,104.58 REF**#19.8 ; REF**#21.2 REF**154.2 173.65,95.64 175.37,93.92 175.37,57.35 173.66,55.64 ; 173.66,55.64 REF**186.2 REF**188.2

## Copper pours and planes (outline as drawn; the poured copper is in the pictures)
GND on Bottom, In2.Cu: 18.75,119.23 18.75,133.36 18.82,133.6 18.9,133.78 18.99,133.9 19.12,134.03 19.26,134.13 19.45,134.23 19.69,134.27 30.98,134.27 31.1,134.26 31.28,134.23 31.44,134.17 31.59,134.08 31.73,133.97 31.82,133.86 31.9,133.74 31.95,133.63 31.99,133.49 32.01,133.35 32.01,73.19 31.99,73.03 31.95,72.91 31.84,72.68 31.75,72.56 31.62,72.44 31.44,72.34 31.22,72.26 31.01,72.24 19.74,72.24 19.62,72.25 19.49,72.26 19.37,72.31 19.25,72.37 19.13,72.44 19.04,72.52 18.93,72.64 18.87,72.75 18.8,72.88 18.76,73.02 18.74,73.15 18.74,87.24 18.73,87.35 18.71,87.5 18.67,87.64 18.61,87.77 18.53,87.88 18.43,87.98 18.31,88.07 18.17,88.16 18,88.21 17.84,88.23 1,88.23 0.85,88.24 0.74,88.27 0.59,88.31 0.47,88.38 0.36,88.45 0.27,88.53 0.18,88.63 0.11,88.75 0.05,88.86 0.01,88.99 -0.01,89.13 -0.02,89.28 -0.02,117.27 0,117.42 0.04,117.6 0.12,117.76 0.26,117.95 0.42,118.09 0.65,118.2 0.83,118.25 1.05,118.27 17.82,118.27 17.96,118.27 18.11,118.32 18.25,118.38 18.34,118.44 18.44,118.52 18.52,118.61 18.6,118.72 18.67,118.86 18.71,118.98 18.75,119.11
GND on Bottom, In6.Cu: 35,136.49 35,4.01 35.01,3.78 35.04,3.47 35.09,3.2 35.13,2.95 35.23,2.65 35.32,2.41 35.43,2.17 35.59,1.9 35.72,1.68 35.89,1.46 36.08,1.24 36.31,1.03 36.54,0.82 36.79,0.65 37.07,0.47 37.34,0.35 37.66,0.22 37.97,0.13 38.3,0.05 38.59,0 39.01,-0.01 173.01,-0.01 173.38,0 173.76,0.06 174.17,0.16 174.57,0.3 174.93,0.47 175.23,0.66 175.56,0.9 175.85,1.16 176.12,1.47 176.34,1.77 176.55,2.12 176.71,2.45 176.84,2.84 176.94,3.2 177,3.61 177,4.01 177,136.78 176.98,136.92 176.94,137.28 176.85,137.65 176.72,138.01 176.54,138.39 176.34,138.73 176.11,139.05 175.84,139.35 175.55,139.61 175.24,139.84 174.91,140.04 174.55,140.21 174.16,140.35 173.8,140.44 173.38,140.5 173,140.52 158.76,140.52 158.26,140.58 157.76,140.72 157.31,140.89 156.92,141.1 156.59,141.34 156.19,141.67 155.88,142.02 155.68,142.29 155.48,142.63 155.3,142.98 155.18,143.34 155.09,143.73 155.02,144.11 155,144.5 155,148.02 154.99,148.39 154.93,148.82 154.84,149.16 154.72,149.5 154.51,149.94 154.3,150.28 154.12,150.54 153.86,150.82 153.58,151.08 153.21,151.37 152.83,151.58 152.38,151.78 151.85,151.94 151.27,152.01 61.04,152.01 60.62,151.99 60.21,151.94 59.83,151.84 59.46,151.72 59.11,151.55 58.78,151.35 58.45,151.11 58.16,150.84 57.89,150.56 57.66,150.24 57.45,149.89 57.3,149.56 57.15,149.18 57.06,148.79 56.99,148.39 56.97,148 56.97,144.53 56.96,144.13 56.91,143.72 56.82,143.34 56.67,142.96 56.52,142.64 56.32,142.3 56.09,141.97 55.79,141.67 55.52,141.42 55.25,141.2 54.77,140.92 54.1,140.65 53.8,140.58 53.41,140.53 52.99,140.51 38.92,140.51 38.57,140.48 38.22,140.43 37.75,140.31 37.33,140.15 36.88,139.91 36.5,139.63 36.2,139.39 35.91,139.04 35.65,138.71 35.45,138.37 35.29,138.04 35.14,137.63 35.06,137.3 35.01,136.89
GND1 on Top, In1.Cu: 18.75,119.23 18.75,133.36 18.82,133.6 18.9,133.78 18.99,133.9 19.12,134.03 19.26,134.13 19.45,134.23 19.69,134.27 30.98,134.27 31.1,134.26 31.28,134.23 31.44,134.17 31.59,134.08 31.73,133.97 31.82,133.86 31.9,133.74 31.95,133.63 31.99,133.49 32.01,133.35 32.01,73.19 31.99,73.03 31.95,72.91 31.84,72.68 31.75,72.56 31.62,72.44 31.44,72.34 31.22,72.26 31.01,72.24 19.74,72.24 19.62,72.25 19.49,72.26 19.37,72.31 19.25,72.37 19.13,72.44 19.04,72.52 18.93,72.64 18.87,72.75 18.8,72.88 18.76,73.02 18.74,73.15 18.74,87.24 18.73,87.35 18.71,87.5 18.67,87.64 18.61,87.77 18.53,87.88 18.43,87.98 18.31,88.07 18.17,88.16 18,88.21 17.84,88.23 1,88.23 0.85,88.24 0.74,88.27 0.59,88.31 0.47,88.38 0.36,88.45 0.27,88.53 0.18,88.63 0.11,88.75 0.05,88.86 0.01,88.99 -0.01,89.13 -0.02,89.28 -0.02,117.27 0,117.42 0.04,117.6 0.12,117.76 0.26,117.95 0.42,118.09 0.65,118.2 0.83,118.25 1.05,118.27 17.82,118.27 17.96,118.27 18.11,118.32 18.25,118.38 18.34,118.44 18.44,118.52 18.52,118.61 18.6,118.72 18.67,118.86 18.71,118.98 18.75,119.11
GND1 on Top, In2.Cu, In4.Cu, In5.Cu: 35,136.49 35,4.01 35.01,3.78 35.04,3.47 35.09,3.2 35.13,2.95 35.23,2.65 35.32,2.41 35.43,2.17 35.59,1.9 35.72,1.68 35.89,1.46 36.08,1.24 36.31,1.03 36.54,0.82 36.79,0.65 37.07,0.47 37.34,0.35 37.66,0.22 37.97,0.13 38.3,0.05 38.59,0 39.01,-0.01 173.01,-0.01 173.38,0 173.76,0.06 174.17,0.16 174.57,0.3 174.93,0.47 175.23,0.66 175.56,0.9 175.85,1.16 176.12,1.47 176.34,1.77 176.55,2.12 176.71,2.45 176.84,2.84 176.94,3.2 177,3.61 177,4.01 177,136.78 176.98,136.92 176.94,137.28 176.85,137.65 176.72,138.01 176.54,138.39 176.34,138.73 176.11,139.05 175.84,139.35 175.55,139.61 175.24,139.84 174.91,140.04 174.55,140.21 174.16,140.35 173.8,140.44 173.38,140.5 173,140.52 158.76,140.52 158.26,140.58 157.76,140.72 157.31,140.89 156.92,141.1 156.59,141.34 156.19,141.67 155.88,142.02 155.68,142.29 155.48,142.63 155.3,142.98 155.18,143.34 155.09,143.73 155.02,144.11 155,144.5 155,148.02 154.99,148.39 154.93,148.82 154.84,149.16 154.72,149.5 154.51,149.94 154.3,150.28 154.12,150.54 153.86,150.82 153.58,151.08 153.21,151.37 152.83,151.58 152.38,151.78 151.85,151.94 151.27,152.01 61.04,152.01 60.62,151.99 60.21,151.94 59.83,151.84 59.46,151.72 59.11,151.55 58.78,151.35 58.45,151.11 58.16,150.84 57.89,150.56 57.66,150.24 57.45,149.89 57.3,149.56 57.15,149.18 57.06,148.79 56.99,148.39 56.97,148 56.97,144.53 56.96,144.13 56.91,143.72 56.82,143.34 56.67,142.96 56.52,142.64 56.32,142.3 56.09,141.97 55.79,141.67 55.52,141.42 55.25,141.2 54.77,140.92 54.1,140.65 53.8,140.58 53.41,140.53 52.99,140.51 38.92,140.51 38.57,140.48 38.22,140.43 37.75,140.31 37.33,140.15 36.88,139.91 36.5,139.63 36.2,139.39 35.91,139.04 35.65,138.71 35.45,138.37 35.29,138.04 35.14,137.63 35.06,137.3 35.01,136.89

## Text on the board
B.Silkscreen: :: Board Details :: / Layers: 4 / Dimensions: 32 x 62 mm | :: Board Details :: / Layers: 4 / Dimensions: 142 x 152 mm / :: More Info :: / https://github.com/barajasalfredo13/32.Channel.Amp
F.Silkscreen: Cell Tester / July 2023 / Alfredo Barajas Enriquez | 32 Cell Receiver Board v.1 / July 2023 / Alfredo Barajas Enriquez | 1 | 2 | 3 | 4 | 5 | 6 | 7 | 8 | 9 | 10 | 11 | 12 | 13 | 14 | 15 | 16 | 17 | 18 | 19 | 20 | 21 | 22 | 23 | 24 | 25 | 26 | 27 | 28 | 29 | 30 | 31 | 32
